# Altium PCB PCB.PcbDoc (continued)
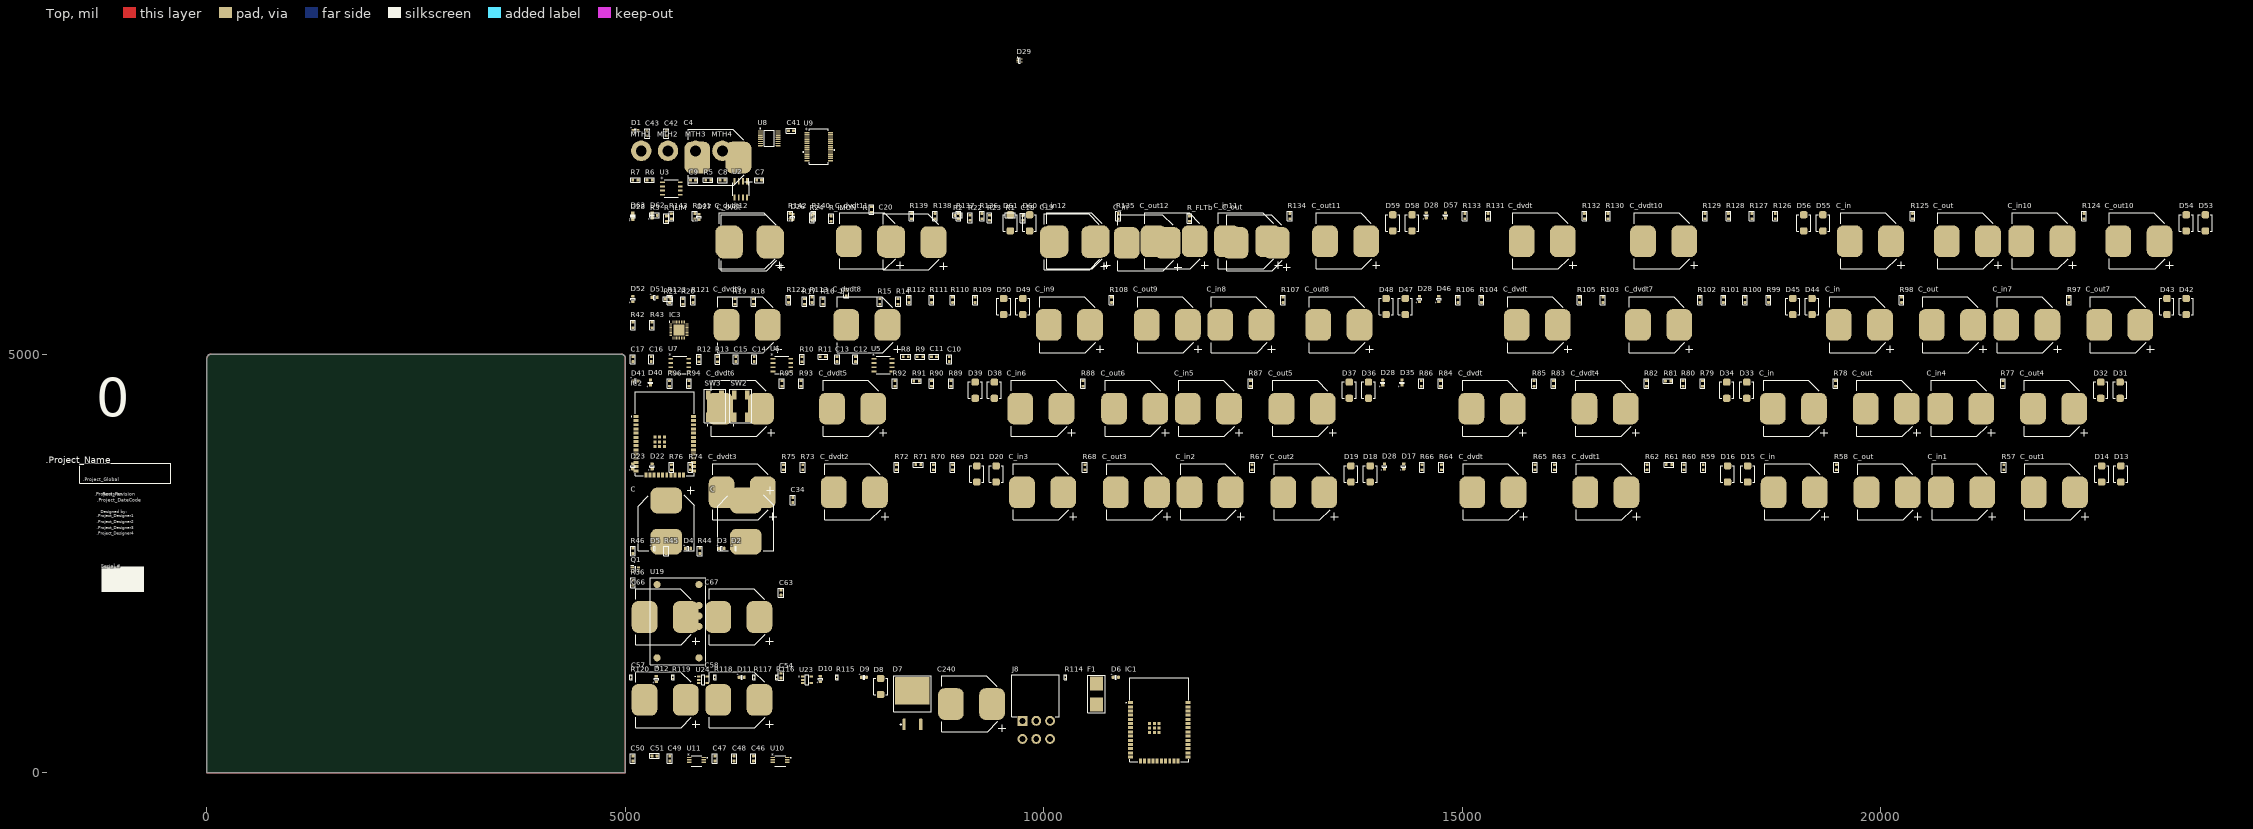
[diagram p0: Top view]
## Components (designator, comment, footprint, x,y, rotation, side; value= is the part's Value field where it differs from the comment) (continued)
D51 "SML-311DTT86" LED_0603 5350,5680 r0 top
D52 "SML-311DTT86" LED_0603 5090,5660 r90 top
D53 "SMBJ24CA" TVS_PWR_SMBJ36CA 23880,6570 r90 top value="Vbr = 26.7V -  Clamp = 38.9V"
D54 "SMBJ24CA" TVS_PWR_SMBJ36CA 23650,6570 r90 top value="Vbr = 26.7V -  Clamp = 38.9V"
D55 "SMBJ24CA" TVS_PWR_SMBJ36CA 19310,6570 r90 top value="Vbr = 26.7V -  Clamp = 38.9V"
D56 "SMBJ24CA" TVS_PWR_SMBJ36CA 19080,6570 r90 top value="Vbr = 26.7V -  Clamp = 38.9V"
D57 "SML-311DTT86" LED_0603 14800,6660 r90 top
D58 "SMBJ24CA" TVS_PWR_SMBJ36CA 14400,6570 r90 top value="Vbr = 26.7V -  Clamp = 38.9V"
D59 "SMBJ24CA" TVS_PWR_SMBJ36CA 14170,6570 r90 top value="Vbr = 26.7V -  Clamp = 38.9V"
D60 "SMBJ24CA" TVS_PWR_SMBJ36CA 9830,6570 r90 top value="Vbr = 26.7V -  Clamp = 38.9V"
D61 "SMBJ24CA" TVS_PWR_SMBJ36CA 9600,6570 r90 top value="Vbr = 26.7V -  Clamp = 38.9V"
D62 "SML-311DTT86" LED_0603 5320,6660 r90 top
D63 "SML-311DTT86" LED_0603 5090,6660 r90 top
F1 "0154005.DR" FUS_0154XXX.DR 10630,940 r90 top value="5A 125V AC/DC FAST"
IC1 "ESP32-WROOM-32E-N8" ESP32WROOM32EN8 11380,630 r0 top
IC2 "ESP32-WROOM-32E-N8" ESP32WROOM32EN8 5470,4050 r0 top
IC3 "PI4IOE5V6524" QFN50P500X500X80-33N-D 5640,5290 r0 top
J8 "0039300060" CON_MINIFIT_0039300060 9910,800 r0 top
MTH1 "M3" MTH_M3 5190,7430 r0 top
MTH2 "M3" MTH_M3 5510,7430 r0 top
MTH3 "M3" MTH_M3 5840,7430 r0 top
MTH4 "M3" MTH_M3 6160,7430 r0 top
Q1 "MBT3904DW1T1" SOT65P210X110-6N 5120,2430 r0 top
R "RES - 0603" RES_0603 7940,6730 r90 top
R1 "RES - 0603" RES_0603 9600,6660 r0 top
R2 "RES - 0603" RES_0603 8970,6660 r0 top
R3 "RES - 0603" RES_0603 5350,6660 r0 top
R5 "RES - 0603" RES_0603 5990,7080 r0 top value=1k
R6 "RES - 0603" RES_0603 5290,7080 r0 top value=120
R7 "RES - 0603" RES_0603 5120,7080 r0 top value=1k
R8 "RES - 0603" RES_0603 8350,4970 r0 top value=10k
R9 "RES - 0603" RES_0603 8520,4970 r0 top value=10k
R10 "RES - 0603" RES_0603 7110,4940 r90 top value=10k
R11 "RES - 0603" RES_0603 7360,4970 r0 top value=10k
R12 "RES - 0603" RES_0603 5880,4940 r90 top value=10k
R13 "RES - 0603" RES_0603 6100,4940 r90 top value=10k
R14 "RES - 0603" RES_0603 8260,5630 r90 top value=10k
R15 "RES - 0603" RES_0603 8040,5630 r90 top value=10k
R16 "RES - 0603" RES_0603 7360,5630 r90 top value=5k1
R17 "RES - 0603" RES_0603 7140,5630 r90 top value=5k1
R18 "RES - 0603" RES_0603 6530,5630 r90 top value=0
R19 "RES - 0603" RES_0603 6310,5630 r90 top value=270
R20 "RES - 0603" RES_0603 5690,5630 r90 top value=270
R21 "RES - 0603" RES_0603 5510,5660 r0 top value=10k
R22 "RES - 0603" RES_0603 9120,6630 r90 top
R23 "RES - 0603" RES_0603 9350,6630 r90 top
R24 "RES - 0603" RES_0603 7230,6630 r90 top
R36 "RES - 0603" RES_0603 5090,2270 r90 top value=79.K3
R42 "RES - 0603" RES_0603 5090,5350 r90 top value=10k
R43 "RES - 0603" RES_0603 5320,5350 r90 top value=750
R44 "RES - 0603" RES_0603 5890,2650 r90 top value=750
R45 "RES - 0603" RES_0603 5490,2650 r90 top value=750
R46 "RES - 0603" RES_0603 5090,2650 r90 top value=750
R57 "RES - 0603" RES_0603 21470,3650 r90 top
R58 "RES - 0603" RES_0603 19470,3650 r90 top
R59 "RES - 0603" RES_0603 17880,3650 r90 top
R60 "RES - 0603" RES_0603 17650,3650 r90 top
R61 "RES - 0603" RES_0603 17470,3680 r0 top
R62 "RES - 0603" RES_0603 17210,3650 r90 top
R63 "RES - 0603" RES_0603 16100,3650 r90 top
R64 "RES - 0603" RES_0603 14750,3650 r90 top
R65 "RES - 0603" RES_0603 15870,3650 r90 top
R66 "RES - 0603" RES_0603 14520,3650 r90 top
R67 "RES - 0603" RES_0603 12490,3650 r90 top
R68 "RES - 0603" RES_0603 10490,3650 r90 top
R69 "RES - 0603" RES_0603 8910,3650 r90 top
R70 "RES - 0603" RES_0603 8680,3650 r90 top
R71 "RES - 0603" RES_0603 8500,3680 r0 top
R72 "RES - 0603" RES_0603 8240,3650 r90 top
R73 "RES - 0603" RES_0603 7120,3650 r90 top
R74 "RES - 0603" RES_0603 5780,3650 r90 top
R75 "RES - 0603" RES_0603 6890,3650 r90 top
R76 "RES - 0603" RES_0603 5550,3650 r90 top
R77 "RES - 0603" RES_0603 21460,4650 r90 top
R78 "RES - 0603" RES_0603 19460,4650 r90 top
R79 "RES - 0603" RES_0603 17870,4650 r90 top
R80 "RES - 0603" RES_0603 17640,4650 r90 top
R81 "RES - 0603" RES_0603 17460,4680 r0 top
R82 "RES - 0603" RES_0603 17200,4650 r90 top
R83 "RES - 0603" RES_0603 16090,4650 r90 top
R84 "RES - 0603" RES_0603 14740,4650 r90 top
R85 "RES - 0603" RES_0603 15860,4650 r90 top
R86 "RES - 0603" RES_0603 14510,4650 r90 top
R87 "RES - 0603" RES_0603 12470,4650 r90 top
R88 "RES - 0603" RES_0603 10470,4650 r90 top
R89 "RES - 0603" RES_0603 8890,4650 r90 top
R90 "RES - 0603" RES_0603 8660,4650 r90 top
R91 "RES - 0603" RES_0603 8480,4680 r0 top
R92 "RES - 0603" RES_0603 8220,4650 r90 top
R93 "RES - 0603" RES_0603 7100,4650 r90 top
R94 "RES - 0603" RES_0603 5760,4650 r90 top
R95 "RES - 0603" RES_0603 6870,4650 r90 top
R96 "RES - 0603" RES_0603 5530,4650 r90 top
R97 "RES - 0603" RES_0603 22250,5650 r90 top
R98 "RES - 0603" RES_0603 20250,5650 r90 top
R99 "RES - 0603" RES_0603 18660,5650 r90 top
R100 "RES - 0603" RES_0603 18380,5650 r90 top
R101 "RES - 0603" RES_0603 18120,5650 r90 top
R102 "RES - 0603" RES_0603 17840,5650 r90 top
R103 "RES - 0603" RES_0603 16680,5650 r90 top
R104 "RES - 0603" RES_0603 15230,5650 r90 top
R105 "RES - 0603" RES_0603 16400,5650 r90 top
R106 "RES - 0603" RES_0603 14950,5650 r90 top
R107 "RES - 0603" RES_0603 12860,5650 r90 top
R108 "RES - 0603" RES_0603 10810,5650 r90 top
R109 "RES - 0603" RES_0603 9180,5650 r90 top
R110 "RES - 0603" RES_0603 8910,5650 r90 top
R111 "RES - 0603" RES_0603 8660,5650 r90 top
R112 "RES - 0603" RES_0603 8390,5650 r90 top
R113 "RES - 0603" RES_0603 7230,5650 r90 top
R114 "RES - 0402" RES_0402 10260,1140 r90 top value=2.2K
R115 "RES - 0402" RES_0402 7530,1140 r90 top value=150
R116 "RES - 0402" RES_0402 6810,1140 r90 top value=10k
R117 "RES - 0402" RES_0402 6540,1140 r90 top value=150
R118 "RES - 0402" RES_0402 6070,1140 r90 top value=150
R119 "RES - 0402" RES_0402 5570,1140 r90 top value=10k
R120 "RES - 0402" RES_0402 5070,1140 r90 top value=150
R121 "RES - 0603" RES_0603 5810,5650 r90 top
R122 "RES - 0603" RES_0603 6950,5650 r90 top
R123 "RES - 0603" RES_0603 5530,5650 r90 top
R124 "RES - 0603" RES_0603 22430,6650 r90 top
R125 "RES - 0603" RES_0603 20380,6650 r90 top
R126 "RES - 0603" RES_0603 18740,6650 r90 top
R127 "RES - 0603" RES_0603 18460,6650 r90 top
R128 "RES - 0603" RES_0603 18180,6650 r90 top
R129 "RES - 0603" RES_0603 17900,6650 r90 top
R130 "RES - 0603" RES_0603 16740,6650 r90 top
R131 "RES - 0603" RES_0603 15310,6650 r90 top
R132 "RES - 0603" RES_0603 16460,6650 r90 top
R133 "RES - 0603" RES_0603 15030,6650 r90 top
R134 "RES - 0603" RES_0603 12940,6650 r90 top
R135 "RES - 0603" RES_0603 10890,6650 r90 top
R136 "RES - 0603" RES_0603 9260,6650 r90 top
R137 "RES - 0603" RES_0603 8980,6650 r90 top
R138 "RES - 0603" RES_0603 8700,6650 r90 top
R139 "RES - 0603" RES_0603 8420,6650 r90 top
R140 "RES - 0603" RES_0603 7250,6650 r90 top
R141 "RES - 0603" RES_0603 5830,6650 r90 top
R142 "RES - 0603" RES_0603 6970,6650 r90 top
R143 "RES - 0603" RES_0603 5550,6650 r90 top
R_FLTb "RES - 0603" RES_0603 11740,6620 r90 top
R_ILIM "RES - 0603" RES_0603 5490,6620 r90 top
R_IMON "RES - 0603" RES_0603 7460,6620 r90 top
SW2 "B3SN-3012P" SWI_TACT_B3SN-3012P 6380,4380 r90 top
SW3 "B3SN-3012P" SWI_TACT_B3SN-3012P 6070,4380 r90 top
U2 "MAX13487EESAT" SOIC127P600X175-8N 6380,6970 r90 top
U3 "ISO6521DR" SOIC8_D_TEX 5550,6980 r0 top
U5 "PCA9517AD,118" SO8_SOT96-1_NXP 8080,4870 r0 top
U6 "PCA9517AD,118" SO8_SOT96-1_NXP 6870,4870 r0 top
U7 "PCA9517AD,118" SO8_SOT96-1_NXP 5650,4870 r0 top
U8 "SI8641EB-B-IU" ISO_SI8641EB-B-IU 6720,7580 r0 top
U9 "FT232RL-REEL" IC28_SSOP-28_FTD 7310,7480 r0 top
U10 "MAX11100EUB+" 21-0061L_MXM 6850,140 r0 top
U11 "MAX11100EUB+" 21-0061L_MXM 5850,140 r0 top
U19 "PTN78060WAZ" REG_SWR_PTN78060WAZ 5630,1810 r90 top value="2.5~12.6V (OUT)"
U23 "TC74A0-3.3VCTTR" SEN_TEMP_TC74A0-3.3VCTTR 7170,1110 r0 top
U24 "TC74A0-3.3VCTTR" SEN_TEMP_TC74A0-3.3VCTTR 5930,1110 r0 top

## Footprints (in the part's own frame and the unit in brackets; to place one, negate y for a bottom-side part, rotate by r counter-clockwise, add the part's x,y. Pads: shape width x height; smd on the part's side, far side on the other; paste and mask are expansions set on the pad)
21-0061L_MXM [mil]
  rect 53.5x11 smd paste+0 mask+0: 1(-86.75,39.37) 2(-86.75,19.69) 3(-86.75,0) 4(-86.75,-19.69) 5(-86.75,-39.37) 6(86.75,-39.37) 7(86.75,-19.69) 8(86.75,0) 9(86.75,19.69) 10(86.75,39.37)
  silkscreen extent -65,-65 134,65, body extent -99,-60 99,60, height 43
CAP_0603 [mil]
  rrect35% 35x34 smd: 1(-29.5,0) 2(29.5,0)
  silkscreen extent -56,-30 56,30, body extent -32,-16 31,16, height 35
CAP_ALU_1616_vishay [mm]
  rrect50% 7.8x9.6 smd: 1(12.5,0) 2(0,0)
  silkscreen extent -2.7,-8.42 16.68,8.6, body extent -2.7,-8.4 15,8.6, height 16.5
CON_MINIFIT_0039300060 [mm]
  round 0 hole 2.997 unplated mask+0.07: 0(-4.2,2.718) 0(4.2,2.718)
  rect 3x3 hole 1.803 mask+0.07: 1(-4.2,-4.583)
  round 3 hole 1.803 mask+0.07: 2(0,-4.583) 3(4.2,-4.583) 4(-4.2,-10.082) 5(0,-10.082) 6(4.2,-10.082)
  silkscreen extent -7.37,-3.3 6.98,9.4, body extent -7.3,-10.62 6.9,9.32, height 11.4
DIO_SCHOTTKY_MBRB4030T4G [mil]
  rrect50% 40x137.95 smd paste+0 mask+4: 1(-100,-333.68) 3(100,-333.68)
  rrect5% 412.99x329.92 smd paste-206.5 mask+4: 4(0,68.41)
  silkscreen extent -225,-340 225,250, body extent -199,-372 201,229, height 196
ESP32WROOM32EN8 [mm]
  rect 1.5x0.9 smd: 1(-8.75,5.26) 2(-8.75,3.99) 3(-8.75,2.72) 4(-8.75,1.45) 5(-8.75,0.18) 6(-8.75,-1.09) 7(-8.75,-2.36) 8(-8.75,-3.63) 9(-8.75,-4.9) 10(-8.75,-6.17) 11(-8.75,-7.44) 12(-8.75,-8.71) 13(-8.75,-9.98) 14(-8.75,-11.25) 25(8.75,-11.25) 26(8.75,-9.98) 27(8.75,-8.71) 28(8.75,-7.44) 29(8.75,-6.17) 30(8.75,-4.9) 31(8.75,-3.63) 32(8.75,-2.36) 33(8.75,-1.09) 34(8.75,0.18) 35(8.75,1.45) 36(8.75,2.72) 37(8.75,3.99) 38(8.75,5.26)
  rect 0.9x1.5 smd: 15(-5.715,-12.5) 16(-4.445,-12.5) 17(-3.175,-12.5) 18(-1.905,-12.5) 19(-0.635,-12.5) 20(0.635,-12.5) 21(1.905,-12.5) 22(3.175,-12.5) 23(4.445,-12.5) 24(5.715,-12.5)
  rect 0.9x0.9 smd: 39(-2.9,-1.06) 40(-2.9,-2.46) 41(-2.9,-3.86) 42(-1.5,-3.86) 43(-0.1,-3.86) 44(-0.1,-2.46) 45(-0.1,-1.06) 46(-1.5,-1.06) 47(-1.5,-2.46)
  silkscreen extent -10.1,-12.75 9,12.75, body extent -9,-12.75 9,12.75, height 3.25
FUS_0154XXX.DR [mil]
  rect 167x150 smd paste+0 mask+4: 1(-125.39,0) 2(125.39,0)
  silkscreen extent -224,-106 224,106, body extent -191,-98 191,98, height 145
IC28_SSOP-28_FTD [mil]
  rect 59.5x17 smd paste+0 mask+0: 1(-139.75,166.34) 2(-139.75,140.75) 3(-139.75,115.16) 4(-139.75,89.57) 5(-139.75,63.98) 6(-139.75,38.39) 7(-139.75,12.8) 8(-139.75,-12.8) 9(-139.75,-38.39) 10(-139.75,-63.98) 11(-139.75,-89.57) 12(-139.75,-115.16) 13(-139.75,-140.75) 14(-139.75,-166.34) 15(139.75,-166.34) 16(139.75,-140.75) 17(139.75,-115.16) 18(139.75,-89.57) 19(139.75,-63.98) 20(139.75,-38.39) 21(139.75,-12.8) 22(139.75,12.8) 23(139.75,38.39) 24(139.75,63.98) 25(139.75,89.57) 26(139.75,115.16) 27(139.75,140.75) 28(139.75,166.34)
  silkscreen extent -190,-212 190,212, body extent -156,-206 156,206, height 79
ISO_SI8641EB-B-IU [mm]
  oval 1.55x0.4 smd paste-0.025 mask+0.05: 1(-2.7,2.222) 2(-2.7,1.587) 3(-2.7,0.953) 4(-2.7,0.318) 5(-2.7,-0.318) 6(-2.7,-0.953) 7(-2.7,-1.587) 8(-2.7,-2.222) 9(2.7,-2.222) 10(2.7,-1.587) 11(2.7,-0.953) 12(2.7,-0.318) 13(2.7,0.318) 14(2.7,0.953) 15(2.7,1.587) 16(2.7,2.222)
  silkscreen extent -2.82,-2.45 1.55,3.1, body extent -3,-2.45 3,2.45, height 1.75
LED_0603 [mm] "Light Emitting Diode - Package 1608"
  rrect50% 0.8x1 smd: A(-0.825,0) K(0.825,0)
  silkscreen extent -0.2,-0.67 0.2,0.67, body extent -0.81,-0.38 0.81,0.42, height 1.1
MTH_M3 [mm]
  round 6.2 hole 3.3 paste-2539.97 mask+0.07: 1(0,0)
QFN50P500X500X80-33N-D [mm]
  rect 0.85x0.3 smd: 1(-2.45,1.75) 2(-2.45,1.25) 3(-2.45,0.75) 4(-2.45,0.25) 5(-2.45,-0.25) 6(-2.45,-0.75) 7(-2.45,-1.25) 8(-2.45,-1.75) 17(2.45,-1.75) 18(2.45,-1.25) 19(2.45,-0.75) 20(2.45,-0.25) 21(2.45,0.25) 22(2.45,0.75) 23(2.45,1.25) 24(2.45,1.75)
  rect 0.3x0.85 smd: 9(-1.75,-2.45) 10(-1.25,-2.45) 11(-0.75,-2.45) 12(-0.25,-2.45) 13(0.25,-2.45) 14(0.75,-2.45) 15(1.25,-2.45) 16(1.75,-2.45) 25(1.75,2.45) 26(1.25,2.45) 27(0.75,2.45) 28(0.25,2.45) 29(-0.25,2.45) 30(-0.75,2.45) 31(-1.25,2.45) 32(-1.75,2.45)
  rect 3.35x3.35 smd: 33(0,0)
  silkscreen extent -3,2.38 -2.75,2.62, body extent -2.55,-2.55 2.55,2.55, height 0.8
REG_SWR_PTN78060WAZ [mil]
  round 85 smd paste-2.5 mask+0: 1(-437.5,250) 2(-437.5,-250) 3(-62.5,-250) 4(62.5,-250) 5(187.5,-250) 6(437.5,-250) 7(437.5,250)
  silkscreen extent -554,-330 518,330, body extent -498,-310 498,310, height 354
RES_0402 [mil]
  rrect60% 20x20 smd: 1(-17.5,0) 2(17.5,0)
  silkscreen extent -32,-15 32,15, body extent -23,-11 23,11, height 16
RES_0603 [mil]
  rrect39% 31x35 smd: 1(-31.5,0) 2(31.5,0)
  silkscreen extent -58,-28 58,28, body extent -33,-16 33,16, height 22
SEN_TEMP_TC74A0-3.3VCTTR [mm]
  rect 1.05x0.6 smd paste-0.05 mask+0.07: 1(-1.3,0.95) 2(-1.3,0) 3(-1.3,-0.95) 4(1.3,-0.95) 5(1.3,0.95)
  silkscreen extent -2.47,-1.5 0.48,1.5, body extent -1.6,-1.58 1.6,1.53, height 1.45
SO8_SOT96-1_NXP [mil]
  rect 57.5x21 smd paste+0 mask+0: 1(-107.25,75) 2(-107.25,25) 3(-107.25,-25) 4(-107.25,-75) 5(107.25,-75) 6(107.25,-25) 7(107.25,25) 8(107.25,75)
  silkscreen extent -84,-104 84,104, body extent -122,-99 122,99, height 69
SOIC8_D_TEX [mil]
  rect 57.5x22 smd paste+0 mask+0: 1(-107.25,75) 2(-107.25,25) 3(-107.25,-25) 4(-107.25,-75) 5(107.25,-75) 6(107.25,-25) 7(107.25,25) 8(107.25,75)
  silkscreen extent -84,-104 84,104, body extent -122,-99 122,99, height 69
SOIC127P600X175-8N [mm]
  rrect25% 1.97x0.59 smd: 1(-2.475,1.905) 2(-2.475,0.635) 3(-2.475,-0.635) 4(-2.475,-1.905) 5(2.475,-1.905) 6(2.475,-0.635) 7(2.475,0.635) 8(2.475,1.905)
  silkscreen extent -4.54,-2.52 2,2.59, body extent -3,-2.45 3,2.45, height 1.75
SOT65P210X110-6N [mm]
  rect 1x0.4 smd: 1(-0.95,0.65) 2(-0.95,0) 3(-0.95,-0.65) 4(0.95,-0.65) 5(0.95,0) 6(0.95,0.65)
  silkscreen extent -1.45,-1 0.1,1.2, body extent -1,-0.7 1,0.3, height 1.05
SWI_TACT_B3SN-3012P [mm]
  rect 2.75x1.4 smd paste-0.025 mask+0.07: 1(-3.375,2) 2(3.375,2) 3(-3.375,-2) 4(3.375,-2)
  silkscreen extent -5.9,-3.3 5.1,3.3, body extent -3.05,-3.05 3.05,3.05, height 3.2
TVS_PWR_SMBJ36CA [mm]
  rrect50% 2.16x2.26 smd paste+0 mask+0.102: 1(-2.45,0) 2(2.45,0)
  silkscreen extent -2.5,-2.1 2.5,2.1, body extent -2.6,-1.97 2.6,1.97, height 2.61
TVS_USB_TPD2E001DRLR [mm]
  rrect50% 0.45x0.3 smd paste-0.025 mask+0.05: 1(-0.675,0.5) 2(-0.675,0) 3(-0.675,-0.5) 4(0.675,-0.5) 5(0.675,0.5)
  silkscreen extent -0.73,-0.85 0.25,1.01, body extent -0.8,-0.8 0.8,0.8, height 0.49

## Part data
1: "Ferrite Bead (Chip Bead), 1.6 x 0.8 x 0.8mm (0603), 120Ohms impedance at 25 MHz", Package="0603 Laird", Availability="In Stock", Check_prices=https://www.snapeda.com/parts/MI0603M121R-10/Laird/view-part/332874/?ref=eda, MF=Laird, MP=MI0603M121R-10, Price=None, SnapEDA_Link=https://www.snapeda.com/parts/MI0603M121R-10/Laird/view-part/332874/?ref=snap
C C C4 C19 C20 C57 C58 C66 C67 C_dvdt C_dvdt C_dvdt C_dvdt C_dvdt C_dvdt1 C_dvdt2 C_dvdt3 C_dvdt4 C_dvdt5 C_dvdt6 C_dvdt7 C_dvdt8 C_dvdt9 C_dvdt10 C_dvdt11 C_dvdt12 C_in C_in C_in C_in C_in C_in1 C_in2 C_in3 C_in4 C_in5 C_in6 C_in7 C_in8 C_in9 C_in10 C_in11 C_in12 C_out C_out C_out C_out C_out C_out1 C_out2 C_out3 C_out4 C_out5 C_out6 C_out7 C_out8 C_out9 C_out10 C_out11 C_out12: library part CAP_ALU_MAL214699108E3, "CAP - ALU 470uF 20% 50V - 1616", Current=1.3A, Package=1616, Supplier Part Number 1=4442PHCT-ND, Temperature="-55°C to 125°C", CreatedBy="Jonathan Bouchard", HelpURL=http://www.vishay.com/docs/28403/146cti.pdf, Mfg="Vishay Dale", Mfg Part Number=MAL214699108E3, Supplier 1=Digikey
C7 C8 C9 C10 C11 C12 C13 C14 C15 C16 C17 C41 C42 C43 C46 C47 C48 C49 C50 C51: Package=0603, Voltage=50V, CreatedBy="Jonathan Bouchard", Precision=10%
C18: Package=0603, Voltage=100n, CreatedBy="Jonathan Bouchard", Precision=10%
C34 C54 C63 R R1 R2 R3 R5 R6 R7 R8 R9 R10 R11 R12 R13 R14 R15 R16 R17 R18 R19 R20 R21 R22 R23 R24 R36 R42 R43 R44 R45 R46 R57 R58 R59 R60 R61 R62 R63 R64 R65 R66 R67 R68 R69 R70 R71 R72 R73 R74 R75 R76 R77 R78 R79 R80 R81 R82 R83 R84 R85 R86 R87 R88 R89 R90 R91 R92 R93 R94 R95 R96 R97 R98 R99 R100 R101 R102 R103 R104 R105 R106 R107 R108 R109 R110 R111 R112 R113 R121 R122 R123 R124 R125 R126 R127 R128 R129 R130 R131 R132 R133 R134 R135 R136 R137 R138 R139 R140 R141 R142 R143 R_FLTb R_ILIM R_IMON: Package=0603, CreatedBy="Jonathan Bouchard"
  C34 C54 C63: Precision=10%
  R R22 R23: Precision=1k
  R1: Precision=222K3
  R2: Precision=3k
  R3 R24 R_FLTb: Precision=10k
  R5 R6 R7 R8 R9 R10 R11 R12 R13 R14 R15 R21 R36 R42 R43 R44 R45 R46: Precision=1%
  R57 R58 R67 R68 R77 R78 R87 R88 R97 R98 R107 R108 R124 R125 R134 R135: Precision=560k
  R59 R60 R69 R70 R79 R80 R89 R90 R99 R100 R109 R110 R126 R127 R136 R137: Precision=47k
  R61 R62 R71 R72 R81 R82 R91 R92 R101 R102 R111 R112 R128 R129 R138 R139: Precision=750R
  R63 R64 R73 R74 R83 R84 R93 R94 R103 R104 R113 R121 R130 R131 R140 R141: Precision=10k7
  R65 R66 R75 R76 R85 R86 R95 R96 R105 R106 R122 R123 R132 R133 R142 R143: Precision=27k
  R_ILIM: 1%=10k7
  R_IMON: Precision=38k3
C240: library part CAP_ALU_MAL214699108E3, "CAP - ALU 470uF 20% 50V - 1616", Current=1.3A, Package=1616, Supplier Part Number 1=4442PHCT-ND, Temperature="-55°C to 125°C", Voltage=50V, CreatedBy="Jonathan Bouchard", HelpURL=http://www.vishay.com/docs/28403/146cti.pdf, Mfg="Vishay Dale", Mfg Part Number=MAL214699108E3, Precision=20%, Supplier 1=Digikey
D1: library part LED_SML-311DTT86, "LED - 611nM ORANGE 2mA - 0603 SML-311DTT86", Current=2mA, Mfg Part Number=SML-311DTT86, Package=0603, Power=44mW, Supplier Part Number 1=511-1303-1-ND, Temperature="-40°C to 85°C", Voltage=1.8V, CreatedBy="Jonathan Bouchard", HelpURL=http://media.digikey.com/pdf/Data%20Sheets/Rohm%20PDFs/SML-311%20Series.pdf, Mfg="ROHM Semiconductor", Supplier 1=Digikey
D2 D3 D4 D5 D17 D22 D23 D26 D27 D28 D28 D28 D28 D28 D35 D40 D41 D46 D51 D52 D57 D62 D63: library part LED_SML-311DTT86, "LED - 611nM ORANGE 2mA - 0603", Current=2mA, Package=0603, Power=44mW, Supplier Part Number 1=511-1303-1-ND, Temperature="-40°C to 85°C", Voltage=1.8V, CreatedBy="Jonathan Bouchard", HelpURL=http://media.digikey.com/pdf/Data%20Sheets/Rohm%20PDFs/SML-311%20Series.pdf, Mfg="ROHM Semiconductor", Mfg Part Number=SML-311DTT86, Supplier 1=Digikey
D6 D9 D10 D11 D12: library part LED_SML-311UTT86, "LED - 620nM RED 2mA - 0603", Current=2mA, Package=0603, Power=44mW, Supplier Part Number 1=511-1304-1-ND, Temperature="-30°C to 85°C", Voltage=1.8V, CreatedBy="Jonathan Bouchard", HelpURL=http://media.digikey.com/pdf/Data%20Sheets/Rohm%20PDFs/SML-311%20Series.pdf, Mfg="ROHM Semiconductor", Mfg Part Number=SML-311UTT86, Supplier 1=Digikey
D7: library part DIO_SCHOTTKY_MBRB4030T4G, "DIO - 30V MAX 40 A - TO-263-3", Current Rating=40A, Manufacturer #1="ON Semiconductor", Package=D2PAK, Supplier Part Number 1=MBRB4030T4GOSCT-ND, Temperature="-65°C ~ 175°C", Voltage Rating=30V, Assembly Type=SMD, CreatedBy/Date="Arnaud Samson - 06/07/18", Cryo=UNKNOWN, GRAMS Lib Spec=2.8, HelpURL=http://www.onsemi.com/pub/Collateral/MBRB4030-D.PDF, Magnetic Material=NO, Part Number #1=MBRB4030T4G, Polarized=Yes, Supplier 1=Digi-Key, VerifiedBy="Jonathan Bouchard 2018-07-12"
D8 D13 D14 D15 D16 D18 D19 D20 D21 D31 D32 D33 D34 D36 D37 D38 D39 D42 D43 D44 D45 D47 D48 D49 D50 D53 D54 D55 D56 D58 D59 D60 D61: library part TVS_PWR_SMBJ24CA, "TVS - 24V 26.7V 600W - DO214AA", Current Rating=15.5A, Manufacturer #1="Littelfuse Inc.", Package=DO214AA, Power Max=600W, Supplier Part Number 1=SMBJ24CALFCT-ND, Temperature="-65°C ~ 150°C (TJ)", Voltage Rating="24V Standoff", Assembly Type=SMD, CreatedBy/Date="Arnaud Samson - 06/07/18", Cryo=UNKNOWN, GRAMS Lib Spec=2.8, HelpURL=http://www.littelfuse.com/~/media/electronics/datasheets/tvs_diodes/littelfuse_tvs_diode_smbj_datasheet.pdf.pdf, Magnetic Material=UNKNOWN, Part Number #1=SMBJ24CA, Polarized=NO, Supplier 1=Digi-Key, VerifiedBy="Jonathan Bouchard - 2018-07-13"
D29: library part TVS_USB_TPD2E001DRLR, "TVS - USB TVS DIODE 5.5V - SOT-553", Manufacturer #1="Texas Instruments", Package=SOT-553, Supplier Part Number 1=296-21883-1-ND, Temperature="-40°C ~ 85°C (TA)", Voltage Rating="5.5V (Max)", Assembly Type=SMD, CreatedBy/Date="Jonathan Bouchard 2018-07-10", Cryo=UNKNOWN, GRAMS Lib Spec=2.8, HelpURL=http://www.ti.com/lit/ds/symlink/tpd2e001.pdf, Magnetic Material=YES, Part Number #1=TPD2E001DRLR, Polarized=YES, Supplier 1=Digi-Key, VerifiedBy="Arnaud Samson 16-07-18"
F1: library part FUS_0154005.DR, "FUS - 5 A 125 VAC/VDC - 2-SMD", Current Rating=5A, Manufacturer #1="Littelfuse Inc.", Package=2-SMD, Supplier Part Number 1=F1228CT-ND, Temperature="-55°C ~ 125°C", Voltage Rating=125V, Assembly Type=SMD, CreatedBy/Date="Arnaud Samson - 06/07/18", Cryo=UNKNOWN, GRAMS Lib Spec=2.8, HelpURL=http://www.littelfuse.com/~/media/electronics/datasheets/fuses/littelfuse_fuse_154_154t_154l_154tl_datasheet.pdf.pdf, Magnetic Material=UNKNOWN, Part Number #1=0154005.DR, Polarized=NO, Supplier 1=Digi-Key, VerifiedBy="Jonathan Bouchard 2018-07-16"
IC1 IC2: "Bluetooth, WiFi 802.11b/g/n, Bluetooth v4.2 +EDR, Class 1, 2 and 3 Transceiver Module 2.4GHz ~ 2.5GHz PCB Trace Surface Mount", Package="SMD-44 Espressif Systems", Check_prices=https://www.snapeda.com/parts/ESP32-WROOM-32E-N8/Espressif+Systems/view-part/?ref=eda, MF="Espressif Systems", MP=ESP32-WROOM-32E-N8, SnapEDA_Link=https://www.snapeda.com/parts/ESP32-WROOM-32E-N8/Espressif+Systems/view-part/?ref=snap
IC3: "Integrated Circuit", Manufacturer_Name="Diodes Incorporated", Datasheet Link=https://www.diodes.com/assets/Datasheets/PI4IOE5V6524.pdf, Height=0.8mm, Manufacturer_Part_Number=PI4IOE5V6524
J8: library part CON_MINIFIT_0039300060, "CON - Mini-Fit Through Hole, Right Angle 6 position", Current Rating=8A, Manufacturer #1=Molex, Package=TH, Supplier Part Number 1=WM21353-ND, Temperature="- 40°C to + 80°C", Voltage Rating=600V, Assembly Type=TH, CreatedBy/Date="Joel Lemay 2018-06-21", Cryo=UNKNOWN, GRAMS Lib Spec=2.8, HelpURL=https://www.molex.com/pdm_docs/sd/039300060_sd.pdf, Magnetic Material=Unknown, Part Number #1=0039300060, Polarized=Yes, Supplier 1=Digi-Key, VerifiedBy="Caroline Paulin - 10 sept 2018"
MTH1 MTH2 MTH3 MTH4: library part MTH_M3, "MTH - MOUNTING HOLE M3 PLATED - M3", Assembly Type=NONE, CreatedBy/Date="Jonathan Bouchard 2018-07-23", Cryo=UNKNOWN, GRAMS Lib Spec=2.8, HelpURL=https://littlemachineshop.com/images/gallery/PDF/TapDrillSizes.pdf, Magnetic Material=NO, Package=M3, VerifiedBy="Arnaud Samson 23-07-18"
Q1: "Transistor", Manufacturer_Name=onsemi, Mouser Part Number=863-MBT3904DW1T1, Datasheet Link=https://www.onsemi.com/download/data-sheet/pdf/MBT3904DW1T1-D.PDF, Height=1.1mm, Manufacturer_Part_Number=MBT3904DW1T1, Mouser Price/Stock=https://www.mouser.co.uk/ProductDetail/onsemi/MBT3904DW1T1?qs=3JMERSakebpLNkv8FfUEPQ%3D%3D
R114 R115 R116 R117 R118 R119 R120: Package=0402, Power=1/16W, Voltage=50V, CreatedBy="Jonathan Bouchard", Precision=1%
SW2 SW3: library part SWI_TACT_B3SN-3012P, "SWI - TACT SPST-NO 0.05A 24V - 4-SMD", Current=50mA, Package=4-SMD, Supplier Part Number 1=SW261CT-ND, Temperature="-25°C ~ 70°C", Voltage=24V, CreatedBy="Jonathan Bouchard", HelpURL=http://www.omron.com/ecb/products/pdf/en-b3sn.pdf, Mfg=Omron, Mfg Part Number=B3SN-3012P, Supplier 1=Digikey
U2: "Half-Duplex RS-485/RS-422-Compatible Transceiver with AutoDirection Control", Package="SOIC-8 Maxim", Check_prices=https://www.snapeda.com/parts/MAX13487EESA+/Analog+Devices/view-part/?ref=eda, MF="Analog Devices", MP=MAX13487EESA+, SnapEDA_Link=https://www.snapeda.com/parts/MAX13487EESA+/Analog+Devices/view-part/?ref=snap
U3: "No Description Available", Mfr_Name="Texas Instruments", RefDes=RefDes, Type=Type
U5 U6 U7: "No Description Available", Mfr_Name=NXP, RefDes=RefDes, Type=Type
U8: library part ISO_SI8641EB-B-IU, "ISO - Quad-Channel Digital Isolator - 16-SSOP", Manufacturer #1="Silicon Labs", Package=16-SSOP, Part Number #1=SI8641BA-B-IUR, Supplier Part Number 1=336-4333-1-ND, Temperature="-40°C ~ 125°C", Voltage Rating=2.375-5.5V, Assembly Type=SMD, CreatedBy/Date="Louis-Daniel Gaulin / 25-02-2020", Cryo=UNKNOWN, GRAMS Lib Spec=2.8c, HelpURL=https://www.silabs.com/documents/public/data-sheets/si864x-datasheet.pdf, Magnetic Material=Unknown, Polarized=Yes, Supplier 1=Digi-Key, VerifiedBy="C.Paulin - 9/03/2020"
U9: "No Description Available", Mfr_Name="FTDI, Future Technology Devices International Ltd", RefDes=RefDes, Type=Type
U10 U11: "No Description Available", Mfr_Name="Analog Devices / Maxim Integrated", RefDes=RefDes, Type=Type
U19: library part REG_SWR_PTN78060WAZ, "REG - DC-DC Module 2.5V~12.6V ADJ OUT 3A  - 7-SMD", Current Rating=3A, Manufacturer #1="Texas Instruments", Manufacturer #2=-, Package=7-SMD, Supplier Part Number 1=296-20525-ND, Temperature="-40°C ~ 85°C", Tolerance=3%, Voltage Rating="7~36V (IN)", Assembly Type=SMD, CreatedBy/Date="Danae D-F 28 juin 2019", Cryo=UNKNOWN, GRAMS Lib Spec=2.8, HelpURL=http://www.ti.com/lit/ds/symlink/ptn78060w.pdf, Magnetic Material=Unknown, Part Number #1=PTN78060WAZ, Part Number #2=-, Polarized=Yes, Power Max=-, Supplier 1=Digi-Key, VerifiedBy="Nicolas V. (2019-07-15)"
U23 U24: library part SENS_TEMP_TC74A0-3.3VCTTR, "SENS - TEMPERATURE SENSOR I2C/SMBUS - SOT23-5", Package=SOT23-5, Supplier Part Number 1=TC74A0-3.3VCTDKR-ND, Temperature="-40°C ~ 125°C", Voltage="2.7 V ~ 5.5 V", CreatedBy="Jonathan Bouchard", HelpURL=http://ww1.microchip.com/downloads/en/DeviceDoc/21462D.pdf, Mfg=Microchip, Mfg Part Number=TC74A0-3.3VCTTR, Precision="±2°C (±3°C)", Supplier 1=Digikey

## Nets (pads, with @x,y where several pads share a name; then routed paths per layer and width w, separated by ;. In a path a pad name is that pad's centre, name@x,y a point inside that pad or via, vN(x,y) a via of type N, cw(c..) or ccw(c..) an arc to the next point about the centre after c; other vN are vias at no path point)
3V3: C7.2 C12.2 C13.2 C14.2 C15.2 C16.2 C17.2 C46.2 C49.2 IC3.27 IC3.28 IC3.31 R8.2 R9.2 R10.2 R11.2 R12.2 R13.2 R21.2 R42.2 R116.2 R119.2 U3.1 U5.1 U5.5 U5.8 U6.1 U6.5 U6.8 U7.1 U7.5 U7.8 U8.10 U8.16 U10.3 U11.3 U23.3 U24.3
3v3_I2C: C11.2
5V: C8.2 C9.2 C10.2 R5.2 U2.8 U3.8
5V_A: C47.2 C48.2 C50.2 C51.2 U10.6 U10.7 U11.6 U11.7
5V_OUT: 
24V: C240.1 D7.4 D8.1 F1.2 R114.2
+3V3: U19.5 U19.6
+12: C18.2 C19.1
+24V: C_in1.1 C_in2.1 C_in3.1 C_in4.1 C_in5.1 C_in6.1 C_in7.1 C_in8.1 C_in9.1 C_in10.1 C_in11.1 C_in12.1 C_in.1 D13.1 D14.1 D15.1 D16.1 D18.1 D19.1 D20.1 D21.1 D31.1 D32.1 D33.1 D34.1 D36.1 D37.1 D38.1 D39.1 D42.1 D43.1 D44.1 D45.1 D47.1 D48.1 D49.1 D50.1 D53.1 D54.1 D55.1 D56.1 D58.1 D59.1 D60.1 D61.1 R1.2 R57.2 R58.2 R67.2 R68.2 R77.2 R78.2 R87.2 R88.2 R97.2 R98.2 R107.2 R108.2 R124.2 R125.2 R134.2 R135.2 U19.2
ADC_0_IN: U10.5
ADC_1_IN: U11.5
BTN_0: R116.1
BTN_1: R119.1
DRIVER_EN: 
DRIVER_INT: 
DRIVER_PP: 
DRIVER_REFL1: 
DRIVER_REFL2: 
DRIVER_REFR1: 
DRIVER_REFR2: 
DRIVER_SCK: 
DRIVER_SDI: 
DRIVER_SDO: 
DTR_FTDI: U8.4 U9.2
DTR_USB: Q1.4 R14.2 U8.13
ESP_BOOT: IC2.25 Q1.3 SW2.2 SW2.3
ESP_EN: IC2.3 Q1.6 SW3.2 SW3.3
ESP_SCL: IC2.36 IC3.26 IC3.29 R8.1 R10.1 R12.1 R42.1 U5.2 U6.2 U7.2
ESP_SDA: IC2.33 IC3.30 R9.1 R11.1 R13.1 R21.1 U5.3 U6.3 U7.3
"Fault 1": R_FLTb.1
GND: C7.1 C8.1 C9.1 C10.1 C11.1 C12.1 C13.1 C14.1 C15.1 C16.1 C17.1 C18.1 C19.2 C20.2 C34.1 C46.1 C47.1 C48.1 C49.1 C50.1 C51.1 C54.1 C57.2 C58.2 C63.1 C66.2 C67.2 C240.2 C.2 C_in1.2 C_in2.2 C_in3.2 C_in4.2 C_in5.2 C_in6.2 C_in7.2 C_in8.2 C_in9.2 C_in10.2 C_in11.2 C_in12.2 C_in.2 C_out1.2 C_out2.2 C_out3.2 C_out4.2 C_out5.2 C_out6.2 C_out7.2 C_out8.2 C_out9.2 C_out10.2 C_out11.2 C_out12.2 C_out.2 D2.K D3.K D4.K D5.K D6.K D7.1 D7.3 D8.2 D9.K D10.K D11.K D12.K D15.2 D16.2 D17.K D20.2 D21.2 D22.K D23.K D27.K D28.K D33.2 D34.2 D35.K D38.2 D39.2 D40.K D41.K D44.2 D45.2 D46.K D49.2 D50.2 D51.K D52.K D55.2 D56.2 D57.K D60.2 D61.2 D62.K D63.K IC2.1 IC2.15 IC2.38 IC2.39 IC2.40 IC2.41 IC2.42 IC2.43 IC2.44 IC2.45 IC2.46 IC2.47 IC3.25 IC3.33 J8.4 MTH1.1 MTH2.1 MTH3.1 MTH4.1 R7.1 R24.1 R36.1 SW2.1 SW2.4 SW3.1 SW3.4 U2.5 U5.4 U6.4 U7.4 U8.9 U8.15 U10.2 U10.4 U10.8 U11.2 U11.4 U11.8 U19.1 U19.7 U23.2 U24.2
GND_USB: C4.2 C41.1 C42.2 C43.2 D29.4 R16.1 R17.1 R18.1 U8.2 U8.8 U9.7 U9.18 U9.21 U9.25 U9.26
I2C_BUS0_SCL: U23.4
I2C_BUS0_SDA: U23.5
I2C_BUS1_SCL: U24.4
I2C_BUS1_SDA: U24.5
I2C_REG_EN: 
IMON: R_IMON.2
LED_0: R115.2
LED_1: R117.2
LED_2: R118.2
LED_3: R120.2
LS_0: IC3.1 R62.2
LS_1: IC3.2 R61.2
LS_2: IC3.3 R72.2
LS_3: IC3.4 R71.2
LS_4: IC3.5 R82.2
LS_5: IC3.6 R81.2
LS_6: IC3.7 R92.2
LS_7: IC3.8 R91.2
LS_8: IC3.9 R102.2
LS_9: IC3.10 R101.2
LS_10: IC3.11 R112.2
LS_11: IC3.12 R111.2
LS_12: IC3.13 R129.2
LS_13: IC3.14 R128.2
LS_14: IC3.15 R139.2
LS_15: IC3.16 R138.2
LS_16: IC3.17
LS_17: IC3.18
LS_18: IC3.19
LS_19: IC3.20
Net1_1: 1.1
NetC20_1: C20.1 R23.2
NetC32_1: 
NetC32_2: 
NetC34_2: C34.2
NetC36_2: 
NetC41_2: C41.2 U9.17
NetC52_1: 
NetC52_2: 
NetC54_2: C54.2
NetC56_2: 
NetC61_1: 
NetC61_2: 
NetC63_2: C63.2
NetC65_2: 
NetC_dvdt1_1: C_dvdt1.1
NetC_dvdt1_2: C_dvdt1.2 R63.1 R65.1
NetC_dvdt2_1: C_dvdt2.1
NetC_dvdt2_2: C_dvdt2.2 R73.1 R75.1
NetC_dvdt3_1: C_dvdt3.1
NetC_dvdt3_2: C_dvdt3.2 R74.1 R76.1
NetC_dvdt4_1: C_dvdt4.1
NetC_dvdt4_2: C_dvdt4.2 R83.1 R85.1
NetC_dvdt5_1: C_dvdt5.1
NetC_dvdt5_2: C_dvdt5.2 R93.1 R95.1
NetC_dvdt6_1: C_dvdt6.1
NetC_dvdt6_2: C_dvdt6.2 R94.1 R96.1
NetC_dvdt7_1: C_dvdt7.1
NetC_dvdt7_2: C_dvdt7.2 R103.1 R105.1
NetC_dvdt8_1: C_dvdt8.1
NetC_dvdt8_2: C_dvdt8.2 R113.1 R122.1
NetC_dvdt9_1: C_dvdt9.1
NetC_dvdt9_2: C_dvdt9.2 R121.1 R123.1
NetC_dvdt10_1: C_dvdt10.1
NetC_dvdt10_2: C_dvdt10.2 R130.1 R132.1
NetC_dvdt11_1: C_dvdt11.1
NetC_dvdt11_2: C_dvdt11.2 R140.1 R142.1
NetC_dvdt12_1: C_dvdt12.1
NetC_dvdt12_2: C_dvdt12.2 R141.1 R143.1
NetC_dvdt_1: C_dvdt.1@6742.13,6330
NetC_dvdt_2: C_dvdt.2@6250,6330 R3.1 R_ILIM.1 R_IMON.1
NetCN2_MP1: 
NetD1_K: D1.K R20.1
NetD2_A: D2.A R43.1
NetD3_A: D3.A R44.1
NetD4_A: D4.A R45.1
NetD5_A: D5.A R46.1
NetD6_A: D6.A R114.1
NetD9_A: D9.A R115.1
NetD10_A: D10.A R117.1
NetD11_A: D11.A R118.1
NetD12_A: D12.A R120.1
NetD17_A: D17.A R61.1
NetD22_A: D22.A R71.1
NetD23_A: D23.A R72.1
NetD28_A: D28.A@5090,6607.52 R.1
NetD35_A: D35.A R81.1
NetD40_A: D40.A R91.1
NetD41_A: D41.A R92.1
NetD46_A: D46.A R101.1
NetD51_A: D51.A R111.1
NetD52_A: D52.A R112.1
NetD57_A: D57.A R128.1
NetD62_A: D62.A R138.1
NetD63_A: D63.A R139.1
NetIC1_1: IC1.1 IC1.15 IC1.38 IC1.39 IC1.40 IC1.41 IC1.42 IC1.43 IC1.44 IC1.45 IC1.46 IC1.47
NetIC1_17: IC1.17 IC1.18 IC1.19 IC1.20 IC1.21 IC1.22 IC1.32
NetIC2_17: IC2.17 IC2.18 IC2.19 IC2.20 IC2.21 IC2.22 IC2.32
NetJ5_S1: R18.2
NetLED2_1: R19.1
NetMoteur_3_1: 
NetMoteur_3_2: 
NetMoteur_3_3: 
NetMoteur_3_4: 
NetMoteur_4_1: 
NetMoteur_4_2: 
NetMoteur_4_3: 
NetMoteur_4_4: 
NetMoteur_5_1: 
NetMoteur_5_2: 
NetMoteur_5_3: 
NetMoteur_5_4: 
NetMoteur_6_1: 
NetMoteur_6_2: 
NetMoteur_6_3: 
NetMoteur_6_4: 
NetMOTOR1_1: 
NetMOTOR1_2: 
NetMOTOR1_3: 
NetMOTOR1_4: 
NetMOTOR2_1: 
NetMOTOR2_2: 
NetMOTOR2_3: 
NetMOTOR2_4: 
NetQ1_2: Q1.2 R14.1
NetQ1_5: Q1.5 R15.1
NetR1_1: R1.1 R2.2
NetR2_1: R2.1 R3.2
NetR5_1: R5.1 R6.2 U2.6
NetR6_1: R6.1 R7.2 U2.7
NetR36_2: R36.2 U19.4
NetR37_2: 
NetR38_2: 
NetR39_2: 
NetR40_2: 
NetR47_2: 
NetR48_2: 
NetR49_2: 
NetR50_2: 
NetR52_2: 
NetR53_2: 
NetR54_2: 
NetR55_2: 
NetR57_1: R57.1 R59.2
NetR58_1: R58.1 R60.2
NetR59_1: R59.1 R65.2
NetR60_1: R60.1 R66.2
NetR63_2: R63.2
NetR64_2: R64.2
NetR67_1: R67.1 R69.2
NetR68_1: R68.1 R70.2
NetR69_1: R69.1 R75.2
NetR70_1: R70.1 R76.2
NetR73_2: R73.2
NetR74_2: R74.2
NetR77_1: R77.1 R79.2
NetR78_1: R78.1 R80.2
NetR79_1: R79.1 R85.2
NetR80_1: R80.1 R86.2
NetR83_2: R83.2
NetR84_2: R84.2
NetR87_1: R87.1 R89.2
NetR88_1: R88.1 R90.2
NetR89_1: R89.1 R95.2
NetR90_1: R90.1 R96.2
NetR93_2: R93.2
NetR94_2: R94.2
NetR97_1: R97.1 R99.2
NetR98_1: R98.1 R100.2
NetR99_1: R99.1 R105.2
NetR100_1: R100.1 R106.2
NetR103_2: R103.2
NetR104_2: R104.2
NetR107_1: R107.1 R109.2
NetR108_1: R108.1 R110.2
NetR109_1: R109.1 R122.2
NetR110_1: R110.1 R123.2
NetR113_2: R113.2
NetR121_2: R121.2
NetR124_1: R124.1 R126.2
NetR125_1: R125.1 R127.2
NetR126_1: R126.1 R132.2
NetR127_1: R127.1 R133.2
NetR130_2: R130.2
NetR131_2: R131.2
NetR134_1: R134.1 R136.2
NetR135_1: R135.1 R137.2
NetR136_1: R136.1 R142.2
NetR137_1: R137.1 R143.2
NetR140_2: R140.2
NetR141_2: R141.2
NetR_ILIM_2: R_ILIM.2
OUT_24_0: C_out.1@20322.13,3350 D14.2
OUT_24_1: C_out1.1 D13.2
OUT_24_2: C_out3.1 D19.2
OUT_24_3: C_out2.1 D18.2
OUT_24_4: C_out.1@20312.13,4350 D32.2
OUT_24_5: C_out4.1 D31.2
OUT_24_6: C_out6.1 D37.2
OUT_24_7: C_out5.1 D36.2
OUT_24_8: C_out.1@21102.13,5350 D43.2
OUT_24_9: C_out7.1 D42.2
OUT_24_10: C_out9.1 D48.2
OUT_24_11: C_out8.1 D47.2
OUT_24_12: C_out.1@21282.13,6350 D54.2
OUT_24_13: C_out10.1 D53.2
OUT_24_14: C_out12.1 D59.2
OUT_24_15: C_out11.1 D58.2
Relay_1: R22.2 R24.2 R.2
RTS_FTDI: U8.5 U9.3
RTS_USB: Q1.1 R15.2 U8.12
RX_LED: U9.22
RXD_FTDI: U8.6 U9.5
SCL_0: U5.7
SCL_1: U6.7
SCL_2: U7.7
SDA_0: U5.6
SDA_1: U6.6
SDA_2: U7.6
SPI_CS_ADC_0: U10.9
SPI_CS_ADC_1: U11.9
SPI_ESP_MISO: IC2.31 U10.1 U11.1
SPI_ESP_MOSI: IC2.37
SPI_ESP_SCK: IC2.30 U10.10 U11.10
TX_LED: R19.2 R20.2 U9.23
TXD_FTDI: U8.3 U9.1
UART_PYROSCIENCE_IN: IC2.28
UART_PYROSCIENCE_OUT: IC2.27
UART_RS485_IN: U3.3
UART_RS485_OUT: U3.2
UART_USB_IN: IC2.35 U8.11
UART_USB_OUT: IC2.34 U8.14
USB_C_N: C43.1 D29.5 U9.16
USB_C_P: C42.1 D29.3 U9.15
USBC_CC1: R17.2
USBC_CC2: R16.2
V_BATT: F1.1 J8.6
Valve_OUT_1: C_out.1@12782.13,6330 R_FLTb.2
VBUS: 1.2 C4.1 D1.A D29.1 U8.1 U8.7 U9.4 U9.20
VCC_IO: 
VDD33: IC2.2
VM: C57.1 C58.1 C66.1 C67.1 C.1
pads on no net: C_dvdt.1@15602.13,4350 C_dvdt.1@15612.13,3350 C_dvdt.1@16142.13,5350 C_dvdt.1@16202.13,6350 C_dvdt.2@15110,4350 C_dvdt.2@15120,3350 C_dvdt.2@15650,5350 C_dvdt.2@15710,6350 D26.A D26.K D27.A D28.A@14050,4627.52 D28.A@14070,3627.52 D28.A@14490,5627.52 D28.A@14570,6627.52 D29.2 IC1.2 IC1.3 IC1.4 IC1.5 IC1.6 IC1.7 IC1.8 IC1.9 IC1.10 IC1.11 IC1.12 IC1.13 IC1.14 IC1.16 IC1.23 IC1.24 IC1.25 IC1.26 IC1.27 IC1.28 IC1.29 IC1.30 IC1.31 IC1.33 IC1.34 IC1.35 IC1.36 IC1.37 IC2.4 IC2.5 IC2.6 IC2.7 IC2.8 IC2.9 IC2.10 IC2.11 IC2.12 IC2.13 IC2.14 IC2.16 IC2.23 IC2.24 IC2.26 IC2.29 IC3.21 IC3.22 IC3.23 IC3.24 IC3.32 J8.0 J8.1 J8.2 J8.3 J8.5 R22.1 R23.1 R43.2 R44.2 R45.2 R46.2 R62.1 R64.1 R66.1 R82.1 R84.1 R86.1 R102.1 R104.1 R106.1 R129.1 R131.1 R133.1 U2.1 U2.2 U2.3 U2.4 U3.4 U3.5 U3.6 U3.7 U9.6 U9.8 U9.9 U9.10 U9.11 U9.12 U9.13 U9.14 U9.19 U9.24 U9.27 U9.28 U19.3 U23.1 U24.1
copper on no net: | length 19957.1
  Top w5: 0,0 0,4950 cw(c50,4950) 50,5000 4950,5000 cw(c4950,4950) 5000,4950 5000,0 0,0

## Polygon pours and split planes (outlines as drawn)
no net on Ground Plane (split plane): 4954.69,4979.62 4959.27,4978.52 4963.62,4976.72 4967.63,4974.26 4971.21,4971.21 4974.26,4967.63 4976.72,4963.62 4978.52,4959.27 4979.62,4954.69 4979.95,4950.5 4979.9,4950 4979.9,20.1 20.1,20.1 20.1,4950 20.05,4950.5 20.38,4954.69 21.48,4959.27 23.28,4963.62 25.74,4967.63 28.79,4971.21 32.37,4974.26 36.38,4976.72 40.73,4978.52 45.31,4979.62 49.5,4979.95 50,4979.9 4950,4979.9 4950.5,4979.95
no net on Power Plane (split plane): 4954.69,4979.62 4959.27,4978.52 4963.62,4976.72 4967.63,4974.26 4971.21,4971.21 4974.26,4967.63 4976.72,4963.62 4978.52,4959.27 4979.62,4954.69 4979.95,4950.5 4979.9,4950 4979.9,20.1 20.1,20.1 20.1,4950 20.05,4950.5 20.38,4954.69 21.48,4959.27 23.28,4963.62 25.74,4967.63 28.79,4971.21 32.37,4974.26 36.38,4976.72 40.73,4978.52 45.31,4979.62 49.5,4979.95 50,4979.9 4950,4979.9 4950.5,4979.95

## Silkscreen, mask and mechanical layers (free items; w line width, h text height)
Top Overlay:
  rectangle: -1261.38,2160.75 -752.79,2464.02
  lines w5: -1520,3460 -1520,3700 -430,3700 -430,3460 -1520,3460
  text "0" at -1322.86,4100 h787.4
  text ".Project_Name" at -1928.77,3700 h78.74
  text ".Project_Global" at -1478.77,3480 h39.37
  text ".Project_Revision" at -1340,3306.31 h40
  text "Revision" at -1243.7,3306.31 h40
  text ".Project_DateCode" at -1310,3240 h40
  text "Designed by:" at -1266,3100 h36
  text ".Project_Designer1" at -1313.15,3050.76 h36
  text ".Project_Designer2" at -1313.15,2980.51 h36
  text ".Project_Designer3" at -1313.15,2910.25 h36
  text ".Project_Designer4" at -1313.15,2840 h36
  text "Serial #" at -1264.6,2447.17 h39.37

## Text inside footprints (layer, text, board x,y; h text height)
C: Drill Guide "Date : 2013-04-17" at 6910.47,2778.7 h39.37 r90; Drill Guide "Created by : Alexandre Gaudet" at 6820.91,2778.7 h39.37 r90; Drill Guide "Verified by : Alexandre Imbeault" at 6866.18,2778.74 h39.37 r90
C: Drill Guide "Date : 2013-04-17" at 5960.47,2778.7 h39.37 r90; Drill Guide "Created by : Alexandre Gaudet" at 5870.91,2778.7 h39.37 r90; Drill Guide "Verified by : Alexandre Imbeault" at 5916.18,2778.74 h39.37 r90
C4: Drill Guide "Date : 2013-04-17" at 5878.7,6879.53 h39.37; Drill Guide "Created by : Alexandre Gaudet" at 5878.7,6969.09 h39.37; Drill Guide "Verified by : Alexandre Imbeault" at 5878.74,6923.82 h39.37
C19: Drill Guide "Date : 2013-04-17" at 10128.7,5869.53 h39.37; Drill Guide "Created by : Alexandre Gaudet" at 10128.7,5959.09 h39.37; Drill Guide "Verified by : Alexandre Imbeault" at 10128.74,5913.82 h39.37
C20: Drill Guide "Date : 2013-04-17" at 8208.7,5869.53 h39.37; Drill Guide "Created by : Alexandre Gaudet" at 8208.7,5959.09 h39.37; Drill Guide "Verified by : Alexandre Imbeault" at 8208.74,5913.82 h39.37
C57: Drill Guide "Date : 2013-04-17" at 5248.7,399.53 h39.37; Drill Guide "Created by : Alexandre Gaudet" at 5248.7,489.09 h39.37; Drill Guide "Verified by : Alexandre Imbeault" at 5248.74,443.82 h39.37
C58: Drill Guide "Date : 2013-04-17" at 6128.7,399.53 h39.37; Drill Guide "Created by : Alexandre Gaudet" at 6128.7,489.09 h39.37; Drill Guide "Verified by : Alexandre Imbeault" at 6128.74,443.82 h39.37
C66: Drill Guide "Date : 2013-04-17" at 5248.7,1389.53 h39.37; Drill Guide "Created by : Alexandre Gaudet" at 5248.7,1479.09 h39.37; Drill Guide "Verified by : Alexandre Imbeault" at 5248.74,1433.82 h39.37
C67: Drill Guide "Date : 2013-04-17" at 6128.7,1389.53 h39.37; Drill Guide "Created by : Alexandre Gaudet" at 6128.7,1479.09 h39.37; Drill Guide "Verified by : Alexandre Imbeault" at 6128.74,1433.82 h39.37
C240: Drill Guide "Date : 2013-04-17" at 8908.7,349.53 h39.37; Drill Guide "Created by : Alexandre Gaudet" at 8908.7,439.09 h39.37; Drill Guide "Verified by : Alexandre Imbeault" at 8908.74,393.82 h39.37
C_dvdt: Drill Guide "Date : 2013-04-17" at 15728.7,5879.53 h39.37; Drill Guide "Created by : Alexandre Gaudet" at 15728.7,5969.09 h39.37; Drill Guide "Verified by : Alexandre Imbeault" at 15728.74,5923.82 h39.37
C_dvdt: Drill Guide "Date : 2013-04-17" at 15668.7,4879.53 h39.37; Drill Guide "Created by : Alexandre Gaudet" at 15668.7,4969.09 h39.37; Drill Guide "Verified by : Alexandre Imbeault" at 15668.74,4923.82 h39.37
C_dvdt: Drill Guide "Date : 2013-04-17" at 15128.7,3879.53 h39.37; Drill Guide "Created by : Alexandre Gaudet" at 15128.7,3969.09 h39.37; Drill Guide "Verified by : Alexandre Imbeault" at 15128.74,3923.82 h39.37
C_dvdt: Drill Guide "Date : 2013-04-17" at 15138.7,2879.53 h39.37; Drill Guide "Created by : Alexandre Gaudet" at 15138.7,2969.09 h39.37; Drill Guide "Verified by : Alexandre Imbeault" at 15138.74,2923.82 h39.37
C_dvdt: Drill Guide "Date : 2013-04-17" at 6268.7,5859.53 h39.37; Drill Guide "Created by : Alexandre Gaudet" at 6268.7,5949.09 h39.37; Drill Guide "Verified by : Alexandre Imbeault" at 6268.74,5903.82 h39.37
C_dvdt1: Drill Guide "Date : 2013-04-17" at 16488.7,2879.53 h39.37; Drill Guide "Created by : Alexandre Gaudet" at 16488.7,2969.09 h39.37; Drill Guide "Verified by : Alexandre Imbeault" at 16488.74,2923.82 h39.37
C_dvdt2: Drill Guide "Date : 2013-04-17" at 7508.7,2879.53 h39.37; Drill Guide "Created by : Alexandre Gaudet" at 7508.7,2969.09 h39.37; Drill Guide "Verified by : Alexandre Imbeault" at 7508.74,2923.82 h39.37
C_dvdt3: Drill Guide "Date : 2013-04-17" at 6168.7,2879.53 h39.37; Drill Guide "Created by : Alexandre Gaudet" at 6168.7,2969.09 h39.37; Drill Guide "Verified by : Alexandre Imbeault" at 6168.74,2923.82 h39.37
C_dvdt4: Drill Guide "Date : 2013-04-17" at 16478.7,3879.53 h39.37; Drill Guide "Created by : Alexandre Gaudet" at 16478.7,3969.09 h39.37; Drill Guide "Verified by : Alexandre Imbeault" at 16478.74,3923.82 h39.37
C_dvdt5: Drill Guide "Date : 2013-04-17" at 7488.7,3879.53 h39.37; Drill Guide "Created by : Alexandre Gaudet" at 7488.7,3969.09 h39.37; Drill Guide "Verified by : Alexandre Imbeault" at 7488.74,3923.82 h39.37
C_dvdt6: Drill Guide "Date : 2013-04-17" at 6148.7,3879.53 h39.37; Drill Guide "Created by : Alexandre Gaudet" at 6148.7,3969.09 h39.37; Drill Guide "Verified by : Alexandre Imbeault" at 6148.74,3923.82 h39.37
C_dvdt7: Drill Guide "Date : 2013-04-17" at 17118.7,4879.53 h39.37; Drill Guide "Created by : Alexandre Gaudet" at 17118.7,4969.09 h39.37; Drill Guide "Verified by : Alexandre Imbeault" at 17118.74,4923.82 h39.37
C_dvdt8: Drill Guide "Date : 2013-04-17" at 7658.7,4879.53 h39.37; Drill Guide "Created by : Alexandre Gaudet" at 7658.7,4969.09 h39.37; Drill Guide "Verified by : Alexandre Imbeault" at 7658.74,4923.82 h39.37
C_dvdt9: Drill Guide "Date : 2013-04-17" at 6228.7,4879.53 h39.37; Drill Guide "Created by : Alexandre Gaudet" at 6228.7,4969.09 h39.37; Drill Guide "Verified by : Alexandre Imbeault" at 6228.74,4923.82 h39.37
C_dvdt10: Drill Guide "Date : 2013-04-17" at 17178.7,5879.53 h39.37; Drill Guide "Created by : Alexandre Gaudet" at 17178.7,5969.09 h39.37; Drill Guide "Verified by : Alexandre Imbeault" at 17178.74,5923.82 h39.37
C_dvdt11: Drill Guide "Date : 2013-04-17" at 7688.7,5879.53 h39.37; Drill Guide "Created by : Alexandre Gaudet" at 7688.7,5969.09 h39.37; Drill Guide "Verified by : Alexandre Imbeault" at 7688.74,5923.82 h39.37
C_dvdt12: Drill Guide "Date : 2013-04-17" at 6248.7,5879.53 h39.37; Drill Guide "Created by : Alexandre Gaudet" at 6248.7,5969.09 h39.37; Drill Guide "Verified by : Alexandre Imbeault" at 6248.74,5923.82 h39.37
C_in: Drill Guide "Date : 2013-04-17" at 19648.7,5879.53 h39.37; Drill Guide "Created by : Alexandre Gaudet" at 19648.7,5969.09 h39.37; Drill Guide "Verified by : Alexandre Imbeault" at 19648.74,5923.82 h39.37
C_in: Drill Guide "Date : 2013-04-17" at 19518.7,4879.53 h39.37; Drill Guide "Created by : Alexandre Gaudet" at 19518.7,4969.09 h39.37; Drill Guide "Verified by : Alexandre Imbeault" at 19518.74,4923.82 h39.37
C_in: Drill Guide "Date : 2013-04-17" at 18728.7,3879.53 h39.37; Drill Guide "Created by : Alexandre Gaudet" at 18728.7,3969.09 h39.37; Drill Guide "Verified by : Alexandre Imbeault" at 18728.74,3923.82 h39.37
C_in: Drill Guide "Date : 2013-04-17" at 18738.7,2879.53 h39.37; Drill Guide "Created by : Alexandre Gaudet" at 18738.7,2969.09 h39.37; Drill Guide "Verified by : Alexandre Imbeault" at 18738.74,2923.82 h39.37
C_in: Drill Guide "Date : 2013-04-17" at 11008.7,5859.53 h39.37; Drill Guide "Created by : Alexandre Gaudet" at 11008.7,5949.09 h39.37; Drill Guide "Verified by : Alexandre Imbeault" at 11008.74,5903.82 h39.37
C_in1: Drill Guide "Date : 2013-04-17" at 20738.7,2879.53 h39.37; Drill Guide "Created by : Alexandre Gaudet" at 20738.7,2969.09 h39.37; Drill Guide "Verified by : Alexandre Imbeault" at 20738.74,2923.82 h39.37
C_in2: Drill Guide "Date : 2013-04-17" at 11758.7,2879.53 h39.37; Drill Guide "Created by : Alexandre Gaudet" at 11758.7,2969.09 h39.37; Drill Guide "Verified by : Alexandre Imbeault" at 11758.74,2923.82 h39.37
C_in3: Drill Guide "Date : 2013-04-17" at 9758.7,2879.53 h39.37; Drill Guide "Created by : Alexandre Gaudet" at 9758.7,2969.09 h39.37; Drill Guide "Verified by : Alexandre Imbeault" at 9758.74,2923.82 h39.37
C_in4: Drill Guide "Date : 2013-04-17" at 20728.7,3879.53 h39.37; Drill Guide "Created by : Alexandre Gaudet" at 20728.7,3969.09 h39.37; Drill Guide "Verified by : Alexandre Imbeault" at 20728.74,3923.82 h39.37
C_in5: Drill Guide "Date : 2013-04-17" at 11738.7,3879.53 h39.37; Drill Guide "Created by : Alexandre Gaudet" at 11738.7,3969.09 h39.37; Drill Guide "Verified by : Alexandre Imbeault" at 11738.74,3923.82 h39.37
C_in6: Drill Guide "Date : 2013-04-17" at 9738.7,3879.53 h39.37; Drill Guide "Created by : Alexandre Gaudet" at 9738.7,3969.09 h39.37; Drill Guide "Verified by : Alexandre Imbeault" at 9738.74,3923.82 h39.37
C_in7: Drill Guide "Date : 2013-04-17" at 21518.7,4879.53 h39.37; Drill Guide "Created by : Alexandre Gaudet" at 21518.7,4969.09 h39.37; Drill Guide "Verified by : Alexandre Imbeault" at 21518.74,4923.82 h39.37
C_in8: Drill Guide "Date : 2013-04-17" at 12128.7,4879.53 h39.37; Drill Guide "Created by : Alexandre Gaudet" at 12128.7,4969.09 h39.37; Drill Guide "Verified by : Alexandre Imbeault" at 12128.74,4923.82 h39.37
C_in9: Drill Guide "Date : 2013-04-17" at 10078.7,4879.53 h39.37; Drill Guide "Created by : Alexandre Gaudet" at 10078.7,4969.09 h39.37; Drill Guide "Verified by : Alexandre Imbeault" at 10078.74,4923.82 h39.37
C_in10: Drill Guide "Date : 2013-04-17" at 21698.7,5879.53 h39.37; Drill Guide "Created by : Alexandre Gaudet" at 21698.7,5969.09 h39.37; Drill Guide "Verified by : Alexandre Imbeault" at 21698.74,5923.82 h39.37
C_in11: Drill Guide "Date : 2013-04-17" at 12208.7,5879.53 h39.37; Drill Guide "Created by : Alexandre Gaudet" at 12208.7,5969.09 h39.37; Drill Guide "Verified by : Alexandre Imbeault" at 12208.74,5923.82 h39.37
C_in12: Drill Guide "Date : 2013-04-17" at 10158.7,5879.53 h39.37; Drill Guide "Created by : Alexandre Gaudet" at 10158.7,5969.09 h39.37; Drill Guide "Verified by : Alexandre Imbeault" at 10158.74,5923.82 h39.37
C_out: Drill Guide "Date : 2013-04-17" at 20808.7,5879.53 h39.37; Drill Guide "Created by : Alexandre Gaudet" at 20808.7,5969.09 h39.37; Drill Guide "Verified by : Alexandre Imbeault" at 20808.74,5923.82 h39.37
C_out: Drill Guide "Date : 2013-04-17" at 20628.7,4879.53 h39.37; Drill Guide "Created by : Alexandre Gaudet" at 20628.7,4969.09 h39.37; Drill Guide "Verified by : Alexandre Imbeault" at 20628.74,4923.82 h39.37
C_out: Drill Guide "Date : 2013-04-17" at 19838.7,3879.53 h39.37; Drill Guide "Created by : Alexandre Gaudet" at 19838.7,3969.09 h39.37; Drill Guide "Verified by : Alexandre Imbeault" at 19838.74,3923.82 h39.37